# Altium PCB PCB_3U_DDS.PcbDoc (part 8 of 12) (continued)
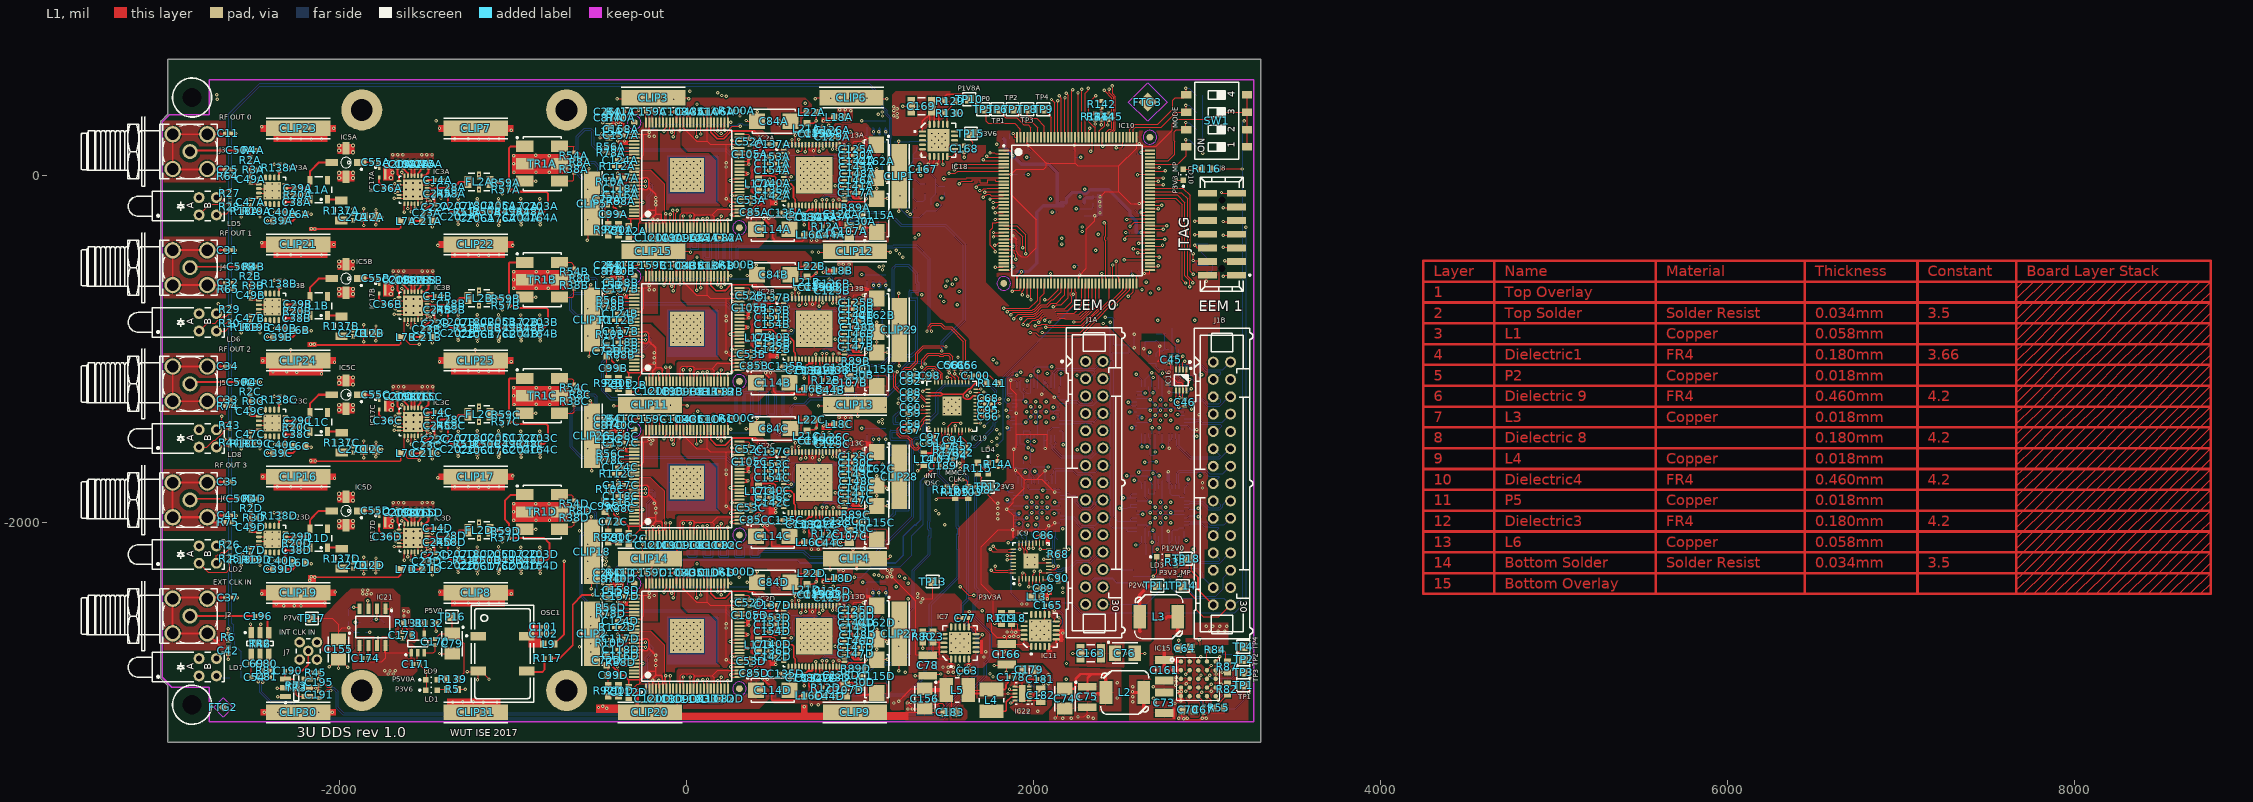
[diagram p0: L1 view]
## Nets (pads, with @x,y where several pads share a name; then routed paths per layer and width w, separated by ;. In a path a pad name is that pad's centre, name@x,y a point inside that pad or via, vN(x,y) a via of type N, cw(c..) or ccw(c..) an arc to the next point about the centre after c; other vN are vias at no path point) (continued)
NetC26C_2: C26C.2 R41C.1 | length 34.6
  L1 w5: C26C.2@-434.25,-1405.61 R41C.1@-399.61,-1405.61
NetC26D_2: C26D.2 R41D.1 | length 34.6
  L1 w5: C26D.2@-434.25,-2291.44 R41D.1@-399.61,-2291.44
NetC28A_1: C28A.1 FL2A.3 | length 92.8
  L1 w11.97: C28A.1@-1341.72,-70.62 -1310.58,-39.47 FL2A.3@-1261.81,-39.47
NetC28A_2: C28A.2 IC3A.4 | length 129.6
  L1 w11.81: IC3A.4@-1498.03,-73.92 -1482,-73.92 -1474.52,-81.4 -1458.33,-81.4 -1450.85,-73.92 -1383.26,-73.92 C28A.2@-1379.95,-70.62 ; C28A.2@-1379.13,-69.79 C28A.2@-1379.95,-70.62 ; C28A.2@-1377.15,-70.62 C28A.2@-1379.95,-70.62
NetC28B_1: C28B.1 FL2B.3 | length 92.8
  L1 w11.97: C28B.1@-1341.72,-739.91 -1310.58,-708.76 FL2B.3@-1261.81,-708.76
NetC28B_2: C28B.2 IC3B.4 | length 133.5
  L1 w11.81: IC3B.4@-1498.03,-743.21 -1482,-743.21 -1475.81,-749.41 -1380.75,-749.41 -1374.2,-742.86 C28B.2@-1371.13,-739.79
NetC28C_1: C28C.1 FL2C.3 | length 92.8
  L1 w11.97: C28C.1@-1341.72,-1409.2 -1316.48,-1383.96 -1267.72,-1383.96 FL2C.3@-1261.81,-1378.06
NetC28C_2: C28C.2 IC3C.4 | length 124.8
  L1 w11.81: IC3C.4@-1495.13,-1412.5 -1482,-1412.5 -1475.39,-1419.12 -1427.46,-1419.12 -1417.54,-1409.2 C28C.2@-1377.15,-1409.2
NetC28D_1: C28D.1 FL2D.3 | length 92.8
  L1 w11.97: C28D.1@-1341.72,-2078.49 -1310.58,-2047.35 FL2D.3@-1261.81,-2047.35
NetC28D_2: C28D.2 IC3D.4 | length 130.2
  L1 w11.81: IC3D.4@-1498.03,-2081.8 -1482,-2081.8 -1473.58,-2090.22 -1472.64,-2089.28 -1395.61,-2089.28 C28D.2@-1384.83,-2078.49 ; C28D.2@-1384.13,-2077.79 C28D.2@-1384.83,-2078.49 ; C28D.2@-1377.15,-2078.49 C28D.2@-1384.83,-2078.49
NetC29A_1: C29A.1 IC5A.3 L1A.3 | length 291.4
  L1 w11.81: C29A.1@-2226.38,-75.89 -2185.19,-75.89 -2172.05,-62.74 L1A.3@-2172.05,-29.87 -2172.05,22.73 -2122.05,72.73 IC5A.3@-2046.65,72.73
NetC29A_2: C29A.2 IC23A.3 | length 54.8
  L1 w11.81: IC23A.3@-2313.83,-77.44 -2311.23,-74.84 -2280.8,-74.84 -2278.2,-77.44 -2263.37,-77.44 C29A.2@-2261.81,-75.89
NetC29B_1: C29B.1 IC5B.3 L1B.3 | length 291.4
  L1 w11.81: C29B.1@-2226.38,-745.18 -2185.19,-745.18 -2172.05,-732.03 L1B.3@-2172.05,-699.16 -2172.05,-646.56 -2122.05,-596.56 IC5B.3@-2046.65,-596.56
NetC29B_2: C29B.2 IC23B.3 | length 52.7
  L1 w11.81: IC23B.3@-2313.83,-746.74 -2263.37,-746.74 C29B.2@-2261.81,-745.18
NetC29C_1: C29C.1 IC5C.3 L1C.3 | length 291.4
  L1 w11.81: C29C.1@-2226.38,-1414.47 -2185.19,-1414.47 -2172.05,-1401.32 L1C.3@-2172.05,-1368.45 -2172.05,-1315.85 -2122.05,-1265.85 IC5C.3@-2046.65,-1265.85
NetC29C_2: C29C.2 IC23C.3 | length 52.7
  L1 w11.81: IC23C.3@-2313.83,-1416.03 -2263.37,-1416.03 C29C.2@-2261.81,-1414.47
NetC29D_1: C29D.1 IC5D.3 L1D.3 | length 291.4
  L1 w11.81: C29D.1@-2226.38,-2083.76 -2185.19,-2083.76 -2172.05,-2070.61 L1D.3@-2172.05,-2037.74 -2172.05,-1985.14 -2122.05,-1935.14 IC5D.3@-2046.65,-1935.14
NetC29D_2: C29D.2 IC23D.3 | length 52.7
  L1 w11.81: IC23D.3@-2313.83,-2085.32 -2263.37,-2085.32 C29D.2@-2261.81,-2083.76
NetC36A_1: C36A.1 IC3A.15 | length 48.1
  L1 w11.81: C36A.1@-1706.69,-75.89 -1683.56,-75.89 -1681.59,-73.92 -1668.13,-73.92 IC3A.15@-1659.45,-73.92
NetC36A_2: C36A.2 IC17A.2 | length 76
  L1 w11.81: IC17A.2@-1773.62,-12.9 -1773.62,-44.39 C36A.2@-1742.13,-75.89
NetC36B_1: C36B.1 IC3B.15 | length 49.5
  L1 w11.81: C36B.1@-1706.69,-745.18 -1677.45,-745.18 -1677.45,-743.21 IC3B.15@-1659.45,-743.21 IC3B.15@-1659.13,-743.21
NetC36B_2: C36B.2 IC17B.2 | length 76
  L1 w11.81: IC17B.2@-1773.62,-682.19 -1773.62,-713.69 C36B.2@-1742.13,-745.18
NetC36C_1: C36C.1 IC3C.15 | length 42.2
  L1 w11.81: C36C.1@-1701.13,-1413.79 -1699.84,-1412.5 IC3C.15@-1659.45,-1412.5
NetC36C_2: C36C.2 IC17C.2 | length 76
  L1 w11.81: IC17C.2@-1773.62,-1351.48 -1773.62,-1382.98 C36C.2@-1742.13,-1414.47
NetC36D_1: C36D.1 IC3D.15 | length 63.5
  L1 w11.81: C36D.1@-1708.41,-2083.79 -1706.42,-2081.8 IC3D.15@-1659.45,-2081.8 IC3D.15@-1673.13,-2081.8
NetC36D_2: C36D.2 IC17D.2 | length 76
  L1 w11.81: IC17D.2@-1773.62,-2020.77 -1773.62,-2052.27 -1742.97,-2082.92 C36D.2@-1742.13,-2083.76
NetC38A_1: C38A.1 C39A.2 C40A.2 IC23A.1 L6A.1 | length 284
  L1 w11.81: IC23A.1@-2313.83,-128.62 -2313.83,-149.29 -2307.52,-155.61 ; C38A.1@-2267.72,-155.61 -2307.52,-155.61 ; L6A.1@-2262.8,-225.49 -2262.8,-255.02 -2271.65,-263.88 C39A.2@-2324.8,-263.88 -2315.95,-255.02 -2313.98,-256.99 C40A.2@-2313.98,-214.67 -2313.98,-162.07 -2307.52,-155.61
NetC38B_1: C38B.1 C39B.2 C40B.2 IC23B.1 L6B.1 | length 284
  L1 w11.81: IC23B.1@-2313.83,-797.92 -2313.83,-818.59 -2307.52,-824.9 ; C38B.1@-2267.72,-824.9 -2307.52,-824.9 ; L6B.1@-2262.8,-894.78 -2262.8,-924.32 -2271.65,-933.17 C39B.2@-2324.8,-933.17 -2315.95,-924.31 -2313.98,-926.28 C40B.2@-2313.98,-883.96 -2313.98,-831.36 -2307.52,-824.9
NetC38C_1: C38C.1 C39C.2 C40C.2 IC23C.1 L6C.1 | length 284
  L1 w11.81: IC23C.1@-2313.83,-1467.21 -2313.83,-1487.88 -2307.52,-1494.19 ; C38C.1@-2267.72,-1494.19 -2307.52,-1494.19 ; L6C.1@-2262.8,-1564.08 -2262.8,-1593.61 -2271.65,-1602.46 C39C.2@-2324.8,-1602.46 -2315.95,-1593.6 -2313.98,-1595.57 C40C.2@-2313.98,-1553.25 -2313.98,-1500.65 -2307.52,-1494.19
NetC38D_1: C38D.1 C39D.2 C40D.2 IC23D.1 L6D.1 | length 284
  L1 w11.81: IC23D.1@-2313.83,-2136.5 -2313.83,-2157.17 -2307.52,-2163.48 ; C38D.1@-2267.72,-2163.48 -2307.52,-2163.48 ; L6D.1@-2262.8,-2233.37 -2262.8,-2262.9 -2271.65,-2271.75 C39D.2@-2324.8,-2271.75 -2315.95,-2262.9 -2313.98,-2264.87 C40D.2@-2313.98,-2222.54 -2313.98,-2169.95 -2307.52,-2163.48
NetC44A_2: C44A.2 C107A.2 R113A.1 | length 215.8
  L1 w8: C44A.2@868.11,-354.33 v1(895.67,-354.33) 897.64,-356.3 C107A.2@925.2,-356.3
  L6 w8: v1(895.67,-354.33) 1011.81,-354.33 R113A.1@1041.34,-324.8
NetC44B_2: C44B.2 C107B.2 R113B.1 | length 238.8
  L1 w8: C44B.2@856.3,-1233.37 882.87,-1233.37 885.83,-1230.42 v1(885.83,-1230.32) 923.23,-1230.32 C107B.2@925.2,-1232.28
  L6 w8: v1(885.83,-1230.32) 915.35,-1200.79 R113B.1@1041.34,-1200.79
NetC44C_2: C44C.2 C107C.2 R113C.1 | length 215
  L1 w6: C44C.2@856.3,-2119.2 882.87,-2119.2 885.83,-2116.24 v1(885.83,-2116.14) 923.23,-2116.14 C107C.2@925.2,-2118.11
  L6 w6: v1(885.83,-2116.14) 905.51,-2096.46 R113C.1@1021.65,-2096.46
NetC44D_2: C44D.2 C107D.2 R113D.1 | length 272.3
  L1 w6: C44D.2@856.3,-3005.02 857.39,-3003.94 914,-3003.94 C107D.2@925.2,-3003.94 ; C107D.2@915.35,-2994.09 934.49,-2994.09 960.47,-2968.11 v1(960.47,-2956.85)
  L6 w6: v1(960.47,-2956.85) 974.41,-2942.91 R113D.1@1090.55,-2942.91
NetC47A_1: C47A.1 IC23A.12 | length 52.2
  L1 w11.81: C47A.1@-2515.75,-137.89 -2490.15,-137.89 -2480.88,-128.62 IC23A.12@-2467.38,-128.62
NetC47A_2: C47A.2 R18A.2 R19A.2 | length 89.9
  L1 w11.81: C47A.2@-2510.63,-181.4 -2515.75,-176.28 -2515.75,-208.76 -2515.75,-210.93 -2514.96,-211.71 ; R19A.2@-2497.64,-211.71 -2498.82,-211.71 -2514.96,-211.71 ; -2514.96,-211.71 -2529.72,-211.71 -2514.96,-211.72
NetC47B_1: C47B.1 IC23B.12 | length 52.2
  L1 w11.81: C47B.1@-2515.75,-807.19 -2490.15,-807.19 -2480.88,-797.92 IC23B.12@-2467.38,-797.92
NetC47B_2: C47B.2 R18B.2 R19B.2 | length 69.6
  L1 w11.81: R18B.2@-2529.72,-878.05 -2510.63,-878.05 ; C47B.2@-2515.75,-842.62 -2510.63,-847.74 -2510.63,-878.05 ; R19B.2@-2497.64,-878.06 -2505.12,-878.06 -2510.63,-878.05
NetC47C_1: C47C.1 IC23C.12 | length 52.2
  L1 w11.81: C47C.1@-2515.75,-1476.48 -2490.15,-1476.48 -2480.88,-1467.21 IC23C.12@-2467.38,-1467.21
NetC47C_2: C47C.2 R18C.2 R19C.2 | length 89.9
  L1 w11.81: C47C.2@-2510.63,-1517.03 C47C.2@-2515.75,-1511.91 -2515.75,-1546.56 -2514.97,-1547.34 ; R19C.2@-2497.64,-1547.34 -2514.97,-1547.34 ; -2514.96,-1547.35 R18C.2@-2529.72,-1547.34 -2514.97,-1547.34
NetC47D_1: C47D.1 IC23D.12 | length 52.2
  L1 w11.81: C47D.1@-2515.75,-2145.77 -2490.15,-2145.77 -2480.88,-2136.5 IC23D.12@-2467.38,-2136.5
NetC47D_2: C47D.2 R18D.2 R19D.2 | length 125.3
  L1 w11.81: C47D.2@-2515.75,-2181.2 -2515.75,-2216.63 ; C47D.2@-2510.63,-2189.27 -2515.75,-2184.16 -2515.75,-2216.63 ; R19D.2@-2497.64,-2219.59 -2498.82,-2219.59 -2514.96,-2219.59 ; -2515.75,-2216.64 -2515.75,-2218.81 -2514.96,-2219.59 ; -2514.96,-2219.59 -2529.72,-2219.59 -2514.96,-2219.59
NetC49A_1: C49A.1 IC23A.9 | length 46.8
  L1 w11.81: C49A.1@-2512.8,-48.53 -2470.7,-48.53 IC23A.9@-2467.38,-51.85
NetC49A_2: C49A.2 R2A.1 R3A.2 | length 70.5
  L1 w8.32: C49A.2@-2517.13,-1.79 -2517.13,31.21 R2A.1@-2517.13,68.71
NetC49B_1: C49B.1 IC23B.9 | length 46.8
  L1 w11.81: C49B.1@-2512.8,-717.82 -2470.7,-717.82 IC23B.9@-2467.38,-721.14
NetC49B_2: C49B.2 R2B.1 R3B.2 | length 73.6
  L1 w10: R2B.1@-2516.13,-601.29 -2516.13,-636.79 -2516.13,-672.07 C49B.2@-2514.13,-674.07
NetC49C_1: C49C.1 IC23C.9 | length 46.8
  L1 w11.81: C49C.1@-2512.8,-1387.11 -2470.7,-1387.11 IC23C.9@-2467.38,-1390.44
NetC49C_2: C49C.2 R2C.1 R3C.2 | length 75.2
  L1 w10: R2C.1@-2517.13,-1267.29 -2517.13,-1303.79 -2517.13,-1341.07 C49C.2@-2516.13,-1342.07
NetC49D_1: C49D.1 IC23D.9 | length 46.8
  L1 w11.81: C49D.1@-2512.8,-2056.4 -2470.7,-2056.4 IC23D.9@-2467.38,-2059.73
NetC49D_2: C49D.2 R2D.1 R3D.2 | length 73.6
  L1 w10: C49D.2@-2514.13,-2012.07 -2512.13,-2010.07 -2512.13,-1974.79 R2D.1@-2512.13,-1939.29
NetC50A_1: C50A.1 R2A.2 R4A.2 | length 76.3
  L1 w8.32: C50A.1@-2556.41,142.21 -2519.63,142.21 R4A.2@-2518.63,143.21 -2518.63,107.22 R2A.2@-2517.13,105.72
NetC50B_1: C50B.1 R2B.2 R4B.2 | length 76.3
  L1 w10: C50B.1@-2552.41,-527.79 -2515.63,-527.79 R4B.2@-2514.63,-526.79 -2514.63,-562.79 R2B.2@-2516.13,-564.28
NetC50C_1: C50C.1 R2C.2 R4C.2 | length 72.9
  L1 w10: C50C.1@-2553.41,-1192.79 -2518.63,-1192.79 R4C.2@-2517.63,-1193.79 -2517.63,-1229.78 R2C.2@-2517.13,-1230.28
NetC50D_1: C50D.1 R2D.2 R4D.2 | length 74.9
  L1 w10: C50D.1@-2551.41,-1865.79 R4D.2@-2513.63,-1865.79 -2513.63,-1900.78 R2D.2@-2512.13,-1902.28
NetC55A_1: C55A.1 IC17A.1 | length 32.3
  L1 w11.81: C55A.1@-1775.59,73.72 -1773.62,71.75 IC17A.1@-1773.62,42.22
NetC55A_2: C55A.2 IC5A.1 | length 78.5
  L1 w8.32: IC5A.1@-1882.48,72.73 -1881.5,73.72 C55A.2@-1811.02,73.72 -1812.01,72.73 -1813.65,72.73 -1812.83,71.91 C55A.2@-1811.13,70.21
NetC55B_1: C55B.1 IC17B.1 | length 32.3
  L1 w11.81: C55B.1@-1775.59,-595.57 -1773.62,-597.54 IC17B.1@-1773.62,-627.07
NetC55B_2: C55B.2 IC5B.1 | length 71.9
  L1 w8.32: IC5B.1@-1882.48,-596.56 -1881.5,-595.57 C55B.2@-1811.02,-595.57
NetC55C_1: C55C.1 IC17C.1 | length 32.3
  L1 w11.81: C55C.1@-1775.59,-1264.87 -1773.62,-1266.83 IC17C.1@-1773.62,-1296.36
NetC55C_2: C55C.2 IC5C.1 | length 76.8
  L1 w11.81: IC5C.1@-1882.48,-1265.85 C55C.2@-1812.01,-1265.85 ; C55C.2@-1811.02,-1264.87 C55C.2@-1812.01,-1265.85 ; C55C.2@-1807.09,-1265.85 -1811.02,-1265.85 C55C.2@-1812.01,-1265.85
NetC55D_1: C55D.1 IC17D.1 | length 32.3
  L1 w11.81: C55D.1@-1775.59,-1934.16 -1773.62,-1936.13 IC17D.1@-1773.62,-1965.65
NetC55D_2: C55D.2 IC5D.1 | length 71.9
  L1 w8.32: IC5D.1@-1882.48,-1935.14 -1881.5,-1934.16 C55D.2@-1811.02,-1934.16
NetC56_2: C56.2 IC19.38 R34.2 | length 117.7
  L1 w5.98: v1@1507.87,-1134.35 C56.2@1507.87,-1114.28 ; v1(1513.39,-1139.87) 1515.09,-1139.87 1524.49,-1149.27 1524.49,-1151.6 1535.51,-1162.62 1537.84,-1162.62 1547.24,-1172.02 IC19.38@1547.24,-1194
  L6 w5.98: R34.2@1507.87,-1115.06 1507.87,-1134.35 v1(1513.39,-1139.87)
NetC57_2: C57.2 IC19.10 R42.2 | length 146.5
  L1 w5: C57.2@1309.06,-1470.57 1329.13,-1470.57 v1(1338.58,-1461.13) 1341.78,-1457.93 1341.78,-1455.79 1367,-1430.56 1367,-1418.54 1375,-1410.54 IC19.10@1389.76,-1410.54
  L6 w5: R42.2@1309.84,-1470.57 1319.29,-1461.13 v1(1338.58,-1461.13)
NetC58_2: C58.2 IC19.9 R37.2 | length 122.7
  L1 w5: C58.2@1309.06,-1435.14 v1(1333.45,-1435.14) 1377.74,-1390.85 IC19.9@1389.76,-1390.85
  L6 w5: R37.2@1309.84,-1435.14 v1(1333.45,-1435.14)
NetC59_2: C59.2 IC19.8 R60.2 | length 106.3
  L1 w5: C59.2@1309.06,-1372.15 1333.66,-1372.15 v1(1334.65,-1371.17) IC19.8@1389.76,-1371.17
  L6 w5: R60.2@1309.84,-1372.15 1333.66,-1372.15 v1(1334.65,-1371.17)
NetC60_2: C60.2 IC19.7 R61.2 | length 116.3
  L1 w5: C60.2@1309.06,-1336.72 1320.87,-1348.53 1322.83,-1348.53 ; v1@1325.87,-1345.5 1322.83,-1348.53 ; v1@1329.13,-1348.53 1322.83,-1348.53 ; v1@1338.58,-1346.17 1338.58,-1351.61 1389.64,-1351.61 IC19.7@1389.76,-1351.48
  L6 w5: R61.2@1309.84,-1336.72 1329.13,-1336.72 1334.68,-1342.27 v1(1334.68,-1345.5)
NetC61_2: C61.2 IC19.37 R70.2 | length 118.2
  L1 w5.98: C61.2@1543.31,-1114.28 v1(1543.31,-1143.8) 1566.93,-1167.43 IC19.37@1566.93,-1194
  L6 w5.98: v1(1543.31,-1143.8) R70.2@1543.31,-1115.06
NetC62_2: C62.2 IC19.5 R62.2 | length 157.5
  L1 w5: C62.2@1309.06,-1285.54 1322.73,-1299.21 v1(1334.25,-1299.21) 1334.25,-1277.41 1340.12,-1271.54 1380.69,-1312.11 IC19.5@1389.76,-1312.11
  L6 w5: R62.2@1309.84,-1285.54 1323.52,-1299.21 v1(1334.25,-1299.21)
NetC65_2: C65.2 IC19.36 R71.2 | length 111.7
  L1 w5: C65.2@1582.68,-1114.28 1582.68,-1143.82 1582.68,-1155.61 1586.61,-1159.55 IC19.36@1586.61,-1194
  L6 w5: v1(1578.73,-1143.82) 1582.68,-1139.86 R71.2@1582.68,-1115.06
NetC66_2: C66.2 IC19.35 R72.2 | length 119.6
  L1 w5: IC19.35@1606.3,-1194 v1(1606.3,-1143.8) 1606.3,-1126.09 C66.2@1618.11,-1114.28
  L6 w5: v1(1606.3,-1143.8) 1615.75,-1134.35 1618.11,-1134.35 R72.2@1618.11,-1115.06
NetC67_2: C67.2 IC15.A3 IC15.E3 | length 359.3
  L1 w5.98: IC15.A3@2948.43,-2803.54 2948.43,-2782.42 2955.26,-2775.59 v1(2962.6,-2775.59) ; v1(2967.22,-2980.44) 2948.43,-2999.24 IC15.E3@2948.43,-3003.54 2977.95,-3033.07 C67.2@2977.95,-3062.99
  L3 w5.98: v1(2962.6,-2775.59) 2981.56,-2794.55 2981.56,-2966.11 v1(2967.22,-2980.44)
NetC68_2: C68.2 IC19.30 R76.2 | length 96.2
  L1 w5: IC19.30@1665.35,-1292.43 v1@1692.91,-1292.43 ; v1(1699.21,-1287.43) 1697.91,-1287.43 v1@1692.91,-1292.43 ; C68.2@1718.5,-1285.54 1711.61,-1292.43 1699.21,-1292.43 v1@1692.91,-1292.43
  L6 w5: v1(1699.21,-1287.43) 1694.8,-1287.43 1692.91,-1285.54 1699.21,-1285.54 R76.2@1717.72,-1285.54
NetC71_2: C71.2 IC19.29 R95.2 | length 85.8
  L1 w5: IC19.29@1665.35,-1312.11 v1(1692.91,-1312.11) 1709.65,-1312.11 C71.2@1718.5,-1320.97
  L6 w5: v1(1692.91,-1312.11) 1709.65,-1312.11 1717.72,-1320.18 R95.2@1717.72,-1320.97
NetC72A_2: C72A.2 C99A.2 R92A.1 | length 113.3
  L1 w8: C99A.2@-462.6,-216.54 -472.44,-206.69 -472.44,-179.13 C72A.2@-462.6,-169.29 ; C99A.2@-454.72,-226.38 -454.72,-281.5 R92A.1@-452.76,-283.46
NetC72B_2: C72B.2 C99B.2 R92B.1 | length 128.1
  L1 w5: C72B.2@-462.6,-1045.28 -462.6,-1112.2 -462.6,-1159.45 R92B.1@-452.76,-1169.29
NetC72C_2: C72C.2 C99C.2 R92C.1 | length 126.1
  L1 w5: C99C.2@-472.44,-1940.94 -448.17,-1965.21 -452.76,-1969.8 C72C.2@-452.76,-1998.03 R92C.1@-452.76,-2055.12
NetC72D_2: C72D.2 C99D.2 R92D.1 | length 118.2
  L1 w5: C72D.2@-462.6,-2826.77 -452.76,-2836.61 -452.76,-2883.86 R92D.1@-452.76,-2940.94
NetC73_2: C73.2 IC15.D1 IC15.E1 L2.1 | length 240.4
  L1 w19: v1(2568.87,-2978.79) 2572.37,-2982.28 L2.1@2634.45,-2982.28 2634.45,-3068.21 2631.87,-3070.79 ; v1(2829.87,-2978.79) 2838.87,-2987.79 2848.43,-2987.79 IC15.E1@2848.43,-3003.54 2848.43,-3019.27 v1@2845.47,-3022.22 ; IC15.D1@2848.43,-2953.54 2849.87,-2954.99 v1(2849.87,-2978.79)
  other v1: 2813.87,-3045.79 2570.87,-3034.79 2847.87,-3029.79 2570.87,-3005.79 2569.87,-2948.79
NetC87A_2: C87A.2 R40A.1 | length 34.6
  L1 w5: C87A.2@-434.25,330.61 R40A.1@-399.61,330.61
NetC87B_2: C87B.2 R40B.1 | length 34.6
  L1 w5: C87B.2@-434.25,-555.22 R40B.1@-399.61,-555.22
NetC87C_2: C87C.2 R40C.1 | length 34.6
  L1 w5: C87C.2@-434.25,-1441.05 R40C.1@-399.61,-1441.05
NetC87D_2: C87D.2 R40D.1 | length 34.6
  L1 w5: C87D.2@-434.25,-2326.87 R40D.1@-399.61,-2326.87
NetC88_2: C88.2 IC19.4 R63.2 | length 129.2
  L1 w5: C88.2@1317.87,-1240.79 1329.13,-1240.79 1329.13,-1241.05 1329.31,-1241.22 v1(1333.19,-1241.22) 1333.19,-1256.1 1337.59,-1260.51 1343.23,-1260.51 1375.15,-1292.43 IC19.4@1389.76,-1292.43
  L6 w5: R63.2@1309.84,-1250.1 1318.72,-1241.22 v1(1333.19,-1241.22)
NetC91_2: C91.2 C97.2 C98.2 C100.2 IC19.12 IC19.34 IC19.44 L14.1 R103.1 R109.1 | length 1439.5
  L1 w5: v1(1625.14,-1163.07) 1640.18,-1163.07 C100.2@1647.64,-1155.61 ; IC19.34@1625.98,-1194 v1@1625.98,-1172.02
  L1 w6: L14.1@1365.86,-1607.33 1411.33,-1607.33 v1@1417.37,-1601.29 ; C98.2@1419.29,-1155.61 C98.2@1429.13,-1165.46 ; v1(1423.57,-1581.58) C91.2@1423.57,-1545.83 ; 1429.13,-1487.79 IC19.12@1429.13,-1469.59 ; IC19.44@1429.13,-1194 C98.2@1429.13,-1165.46 ; v1(1437.16,-1869.97) 1446.78,-1860.34 R109.1@1547.24,-1860.34 R103.1@1622.05,-1860.34 ; v1(1444.87,-1159.79) 1434.8,-1159.79 C98.2@1429.13,-1165.46
  L1 w16: C91.2@1423.57,-1545.83 1423.57,-1509.95 1423.57,-1493.35 1429.13,-1487.79
  L3 w6: v1@1423.57,-1606.79 1423.57,-1856.38 v1(1437.16,-1869.97)
  L3 w19: v1(1417.87,-1129.79) 1444.87,-1156.79 v1(1444.87,-1159.79) 1422.87,-1181.79 1422.87,-1436.27 1429.2,-1442.6 1429.2,-1471.05 1422.87,-1477.38 1422.87,-1581.58 v1(1422.87,-1606.79)
  L4 w19: v1(1444.87,-1159.79) 1462.58,-1159.79 1491.53,-1188.74 1599.48,-1188.74 v1(1625.14,-1163.07)
NetC92_2: C92.2 IC19.43 R69.2 | length 292.1
  L1 w5: C92.2@1309.06,-1188.69 v1(1337.4,-1188.69) 1337.4,-1188.31 1364.15,-1161.56 1364.15,-1138.91 1377.07,-1126 1390.62,-1112.44 1425.06,-1112.44 1462.22,-1149.6 1462.22,-1166.97 1448.08,-1181.1 1448.65,-1181.1 1448.65,-1193.83 IC19.43@1448.82,-1194
  L6 w5: R69.2@1309.84,-1188.69 v1(1337.4,-1188.69)
NetC93_2: C93.2 IC19.42 R77.2 | length 295.9
  L1 w5: C93.2@1309.06,-1153.25 1316.35,-1145.96 1321.96,-1151.57 v1(1338.58,-1151.57) 1344.52,-1151.57 1354.15,-1141.94 1354.15,-1133.38 1366.08,-1121.45 1379.75,-1107.78 1381.14,-1107.78 1386.48,-1102.44 1429.2,-1102.44 1472.22,-1145.46 1472.22,-1175.42 1468.5,-1179.13 IC19.42@1468.5,-1194
  L6 w5: R77.2@1309.84,-1153.25 1317.14,-1145.96 1322.75,-1151.57 v1(1338.58,-1151.57)
NetC94_2: C94.2 IC19.17 | length 45.6
  L1 w5.98: IC19.17@1527.56,-1469.59 1527.56,-1504.04 C94.2@1535.43,-1511.91
NetC95_2: C95.2 IC19.27 R101.2 | length 82.5
  L1 w5: IC19.27@1665.35,-1351.48 v1(1692.91,-1351.48) 1713.58,-1351.48 C95.2@1718.5,-1356.4
  L6 w5: v1(1692.91,-1351.48) 1713.58,-1351.48 1717.72,-1355.61 R101.2@1717.72,-1356.4
NetC96_2: C96.2 IC19.26 R102.2 | length 99.3
  L1 w5: IC19.26@1665.35,-1371.17 1687.33,-1371.17 1692.9,-1376.73 v1(1692.9,-1380.04) ; v1@1694.55,-1378.38 1698.43,-1382.26 1698.43,-1391.83 C96.2@1718.5,-1391.83
  L6 w5: v1(1692.9,-1380.04) 1708.19,-1380.04 1717.72,-1389.56 R102.2@1717.72,-1391.83
NetC101_2: C101.2 C102.2 L9.1 OSC1.4 | length 219.8
  L1 w5: C101.2@-842.52,-2604.43 C102.2@-842.52,-2643.8 -842.52,-2687.11 L9.1@-826.77,-2702.86
  L1 w5.98: OSC1.4@-923.03,-2657.98 -907.09,-2657.98 -862.2,-2702.86 L9.1@-826.77,-2702.86
NetC103_2: C103.2 R117.1 | length 3089.2
  L1 w10: R117.1@-782.98,-2784.58 -731.92,-2784.58 -658.13,-2710.79 -658.13,-2475.79 -602.13,-2419.79 v1(-542.13,-2419.79) ; v1(1377.87,-1734.79) 1423.23,-1689.43 C103.2@1423.16,-1637.79 C103.2@1423.23,-1635.93
  L6 w10: v1(-542.13,-2419.79) -542.13,-2413.79 -520.13,-2391.79 -520.13,-2350.94 -478.35,-2309.16 -455.75,-2309.16 -365.38,-2218.79 47.53,-2218.79 49.13,-2217.19 67.94,-2217.19 69.54,-2218.79 635.87,-2218.79 652.87,-2235.79 1203.87,-2235.79 1247.87,-2191.79 1247.87,-2082.29 1313.82,-2016.34 1320.38,-2016.34 1347.13,-1989.58 1347.13,-1765.53 v1(1377.87,-1734.79)
NetC161_2: C161.2 IC15.A1 IC15.B1 L3.1 | length 453.5
  L1 w11.81: 2751.57,-2836.49 2768.63,-2853.54 IC15.B1@2848.43,-2853.54
  L1 w19: 2749.87,-2741.79 2751.57,-2743.49 C161.2@2751.57,-2795.28 ; 2751.57,-2836.49 C161.2@2751.57,-2795.28 ; 2761.87,-2553.79 2770.28,-2545.38 L3.1@2829.72,-2545.38 2829.72,-2623.94 2826.87,-2626.79 ; IC15.A1@2848.43,-2803.54 2838.87,-2803.54 2837.12,-2801.79 2820.87,-2801.79 2814.36,-2795.28 C161.2@2751.57,-2795.28
NetC164A_1: C164A.1 C203A.2 R48A.1 R57A.1 | length 408.9
  L1 w11.81: R57A.1@-1025.75,-83.69 -997.13,-83.69 -985.24,-95.57 -811.02,-95.57 -799.21,-107.39 -799.21,-186.13 -824.81,-211.72 -846.46,-211.72 R48A.1@-882.39,-211.72
NetC164B_1: C164B.1 C203B.2 R48B.1 R57B.1 | length 408.9
  L1 w11.81: R57B.1@-1025.75,-752.98 -997.13,-752.98 -985.24,-764.87 -811.02,-764.87 -799.21,-776.68 -799.21,-855.42 -824.81,-881.01 -846.46,-881.01 R48B.1@-882.39,-881.01
NetC164C_1: C164C.1 C203C.2 R48C.1 R57C.1 | length 408.9
  L1 w11.81: R57C.1@-1025.75,-1422.27 -997.13,-1422.27 -985.24,-1434.16 -811.02,-1434.16 -799.21,-1445.97 -799.21,-1524.71 -824.81,-1550.3 -846.46,-1550.3 R48C.1@-882.39,-1550.3
NetC164D_1: C164D.1 C203D.2 R48D.1 R57D.1 | length 426.1
  L1 w10: R57D.1@-1025.75,-2091.56 -821.93,-2091.56 -792.32,-2121.17 -792.32,-2205.81 -806.1,-2219.59 -846.46,-2219.59 R48D.1@-882.39,-2219.59
NetC170_1: C170.1 IC20.3 | length 101.1
  L1 w5: IC20.3@-1513.78,-2753.19 -1461.04,-2753.19 -1451.57,-2743.72 C170.1@-1451.57,-2708.76
NetC172A_1: C172A.1 C204A.2 R48A.2 R49A.1 | length 85
  L1 w11.81: R49A.1@-1004.44,-211.72 -956.69,-211.72 R48A.2@-919.4,-211.72
NetC172B_1: C172B.1 C204B.2 R48B.2 R49B.1 | length 85
  L1 w11.81: R49B.1@-1004.44,-881.01 -956.69,-881.01 R48B.2@-919.4,-881.01
NetC172C_1: C172C.1 C204C.2 R48C.2 R49C.1 | length 85
  L1 w11.81: R49C.1@-1004.44,-1550.3 -956.69,-1550.3 R48C.2@-919.4,-1550.3
NetC172D_1: C172D.1 C204D.2 R48D.2 R49D.1 | length 85
  L1 w11.81: R49D.1@-1004.44,-2219.59 -956.69,-2219.59 R48D.2@-919.4,-2219.59
NetC175_1: C175.1 IC21.4 | length 106.9
  L1 w6: v1(-1919.29,-2491.81) -1892.9,-2491.81 IC21.4@-1886.02,-2498.69
  L6 w6: C175.1@-1948.82,-2539.47 -1948.82,-2502.78 -1937.85,-2491.81 v1(-1919.29,-2491.81)
NetC176A_1: C176A.1 C205A.2 R49A.2 R50A.1 | length 89.6
  L1 w11.81: R50A.1@-1131.05,-211.72 -1084.64,-211.72 R49A.2@-1041.44,-211.72
NetC176B_1: C176B.1 C205B.2 R49B.2 R50B.1 | length 89.6
  L1 w11.81: R50B.1@-1131.05,-881.01 -1084.64,-881.01 R49B.2@-1041.44,-881.01
NetC176C_1: C176C.1 C205C.2 R49C.2 R50C.1 | length 89.6
  L1 w11.81: R50C.1@-1131.05,-1550.3 -1084.64,-1550.3 R49C.2@-1041.44,-1550.3
NetC176D_1: C176D.1 C205D.2 R49D.2 R50D.1 | length 89.6
  L1 w11.81: R50D.1@-1131.05,-2219.59 -1084.64,-2219.59 R49D.2@-1041.44,-2219.59
NetC180A_1: C180A.1 C206A.2 R50A.2 R51A.2 | length 75.7
  L1 w11.81: R51A.2@-1243.3,-212.7 -1242.32,-211.72 -1207.67,-211.72 R50A.2@-1168.06,-211.72
NetC180B_1: C180B.1 C206B.2 R50B.2 R51B.2 | length 75.7
  L1 w11.81: R51B.2@-1243.3,-881.99 -1242.32,-881.01 -1207.67,-881.01 R50B.2@-1168.06,-881.01
NetC180C_1: C180C.1 C206C.2 R50C.2 R51C.2 | length 75.7
  L1 w11.81: R51C.2@-1243.3,-1551.29 -1242.32,-1550.3 -1207.67,-1550.3 R50C.2@-1168.06,-1550.3
NetC180D_1: C180D.1 C206D.2 R50D.2 R51D.2 | length 75.7
  L1 w11.81: R51D.2@-1243.3,-2220.58 -1242.32,-2219.59 -1207.67,-2219.59 R50D.2@-1168.06,-2219.59
NetC190_1: C190.1 J7.1 | length 193.3
  L1 w8.32: C190.1@-2281.41,-2857.79 -2218.02,-2857.79 -2182.13,-2821.89 J7.1@-2182.13,-2742.79
NetC190_2: C190.2 R73.1 TR3.3 | length 120
  L1 w8.32: C190.2@-2316.84,-2857.79 -2316.84,-2900.78 TR3.3@-2312.99,-2904.63 -2272.05,-2904.63 R73.1@-2250.39,-2926.28
NetC196_1: C196.1 J2.1 | length 376
  L1 w11.81: J2.1@-2864.17,-2541.44 C196.1@-2488.19,-2541.44
NetC196_2: C196.2 R46.1 TR2.3 | length 214.8
  L1 w11.81: C196.2@-2452.76,-2541.44 -2431.1,-2541.44 -2416.65,-2555.89 -2416.65,-2631.27 TR2.3@-2410.62,-2637.3 -2410.62,-2690.81 -2419.71,-2699.9 R46.1@-2442.12,-2699.9
NetC202A_1: C202A.1 C207A.2 R51A.1 R58A.1 | length 191.5
  L1 w11.81: R58A.1@-1376.77,-107.39 -1376.77,-195.18 -1359.25,-212.7 -1318.9,-212.7 R51A.1@-1280.31,-212.7
NetC202B_1: C202B.1 C207B.2 R51B.1 R58B.1 | length 191.5
  L1 w11.81: R58B.1@-1376.77,-776.68 -1376.77,-864.47 -1359.25,-881.99 -1318.9,-881.99 R51B.1@-1280.31,-881.99
NetC202C_1: C202C.1 C207C.2 R51C.1 R58C.1 | length 191.5
  L1 w11.81: R58C.1@-1376.77,-1445.97 -1376.77,-1533.76 -1359.25,-1551.29 -1318.9,-1551.29 R51C.1@-1280.31,-1551.29
NetC202D_1: C202D.1 C207D.2 R51D.1 R58D.1 | length 191.5
  L1 w11.81: R58D.1@-1376.77,-2115.26 -1376.77,-2203.06 -1359.25,-2220.58 -1318.9,-2220.58 R51D.1@-1280.31,-2220.58
NetFL2A_1: FL2A.1 R59A.2 | length 72.8
  L1 w11.81: FL2A.1@-1133.86,-39.47 -1129.65,-43.69 R59A.2@-1062.76,-43.69
NetFL2B_1: FL2B.1 R59B.2 | length 72.8
  L1 w11.81: FL2B.1@-1133.86,-708.76 -1129.65,-712.98 R59B.2@-1062.76,-712.98
NetFL2C_1: FL2C.1 R59C.2 | length 72.8
  L1 w11.81: FL2C.1@-1133.86,-1378.06 -1129.65,-1382.27 R59C.2@-1062.76,-1382.27
NetFL2D_1: FL2D.1 R59D.2 | length 72.8
  L1 w11.81: FL2D.1@-1133.86,-2047.35 -1129.65,-2051.56 R59D.2@-1062.76,-2051.56
NetIC1A_20: IC1A.20 IC1A.22 IC1A.39 IC1A.41 R1A.1 | length 1426
  L3 w5: v1(2249.02,-1154.63) 2247.05,-1156.6 2247.05,-1573.92 2251,-1577.87 v1(2251,-1582)
  L4 w5: v1(1983.23,-1156.59) 1985.19,-1154.63 2040.73,-1154.63 2070.3,-1125.06 2219.45,-1125.06 v1(2249.02,-1154.63) ; v1(1991.11,-1584.76) 2043.05,-1584.76 2052.51,-1594.22 2086.84,-1594.22 2101.51,-1579.54 2103.97,-1582 v1@2249.22,-1582 ; v1@2246.76,-1579.54 v1@2249.22,-1582 ; v1(2251,-1582) v1@2249.22,-1582
  L6 w5: IC1A.22@1942.91,-1500.1 1942.91,-1474.03 1944.4,-1472.54 1980.31,-1472.54 1980.31,-1498.13 IC1A.20@1982.28,-1500.1 1982.28,-1527.63 1982.5,-1527.84 1982.5,-1561.02 1991.11,-1569.62 v1(1991.11,-1584.76) 1983.94,-1584.76 1982.28,-1583.11 1982.28,-1584.76 1982.28,-1660.91 R1A.1@1980.36,-1662.83 ; IC1A.39@1942.91,-1228.45 1942.91,-1242.23 1958.83,-1258.14 1974.74,-1258.14 1978.35,-1254.53 1982.28,-1254.53 IC1A.41@1982.28,-1228.45 1982.28,-1158.36 1981.87,-1157.95 v1(1983.23,-1156.59)
NetIC1B_20: IC1B.20 IC1B.22 IC1B.39 IC1B.41 R1B.1 | length 750.2
  L3 w5.98: v1(2687.4,-1254.24) 2690.08,-1256.92 2690.08,-1309 2681.97,-1317.11 2681.97,-1338.53 2690.08,-1346.64 2690.08,-1368.06 2681.97,-1376.17 2681.97,-1397.58 2690.08,-1405.69 2690.08,-1437.48 2701.5,-1448.9 2701.5,-1464.49 2687.4,-1478.59 2687.4,-1582.67 v1(2700.79,-1596.06)
  L6 w5.98: IC1B.22@2661.42,-1490.26 2661.42,-1512.21 2671.97,-1522.76 2671.97,-1611.8 R1B.1@2670.28,-1613.49 2695.64,-1613.49 2700.79,-1608.35 v1(2700.79,-1596.06) IC1B.20@2700.79,-1490.26 ; IC1B.39@2661.42,-1218.61 2662.4,-1219.58 2662.4,-1244.24 2672.4,-1254.24 v1(2687.4,-1254.24) 2696.95,-1244.68 2700.79,-1244.68 IC1B.41@2700.79,-1218.61